# KiCad board board.kicad_pcb (continued)
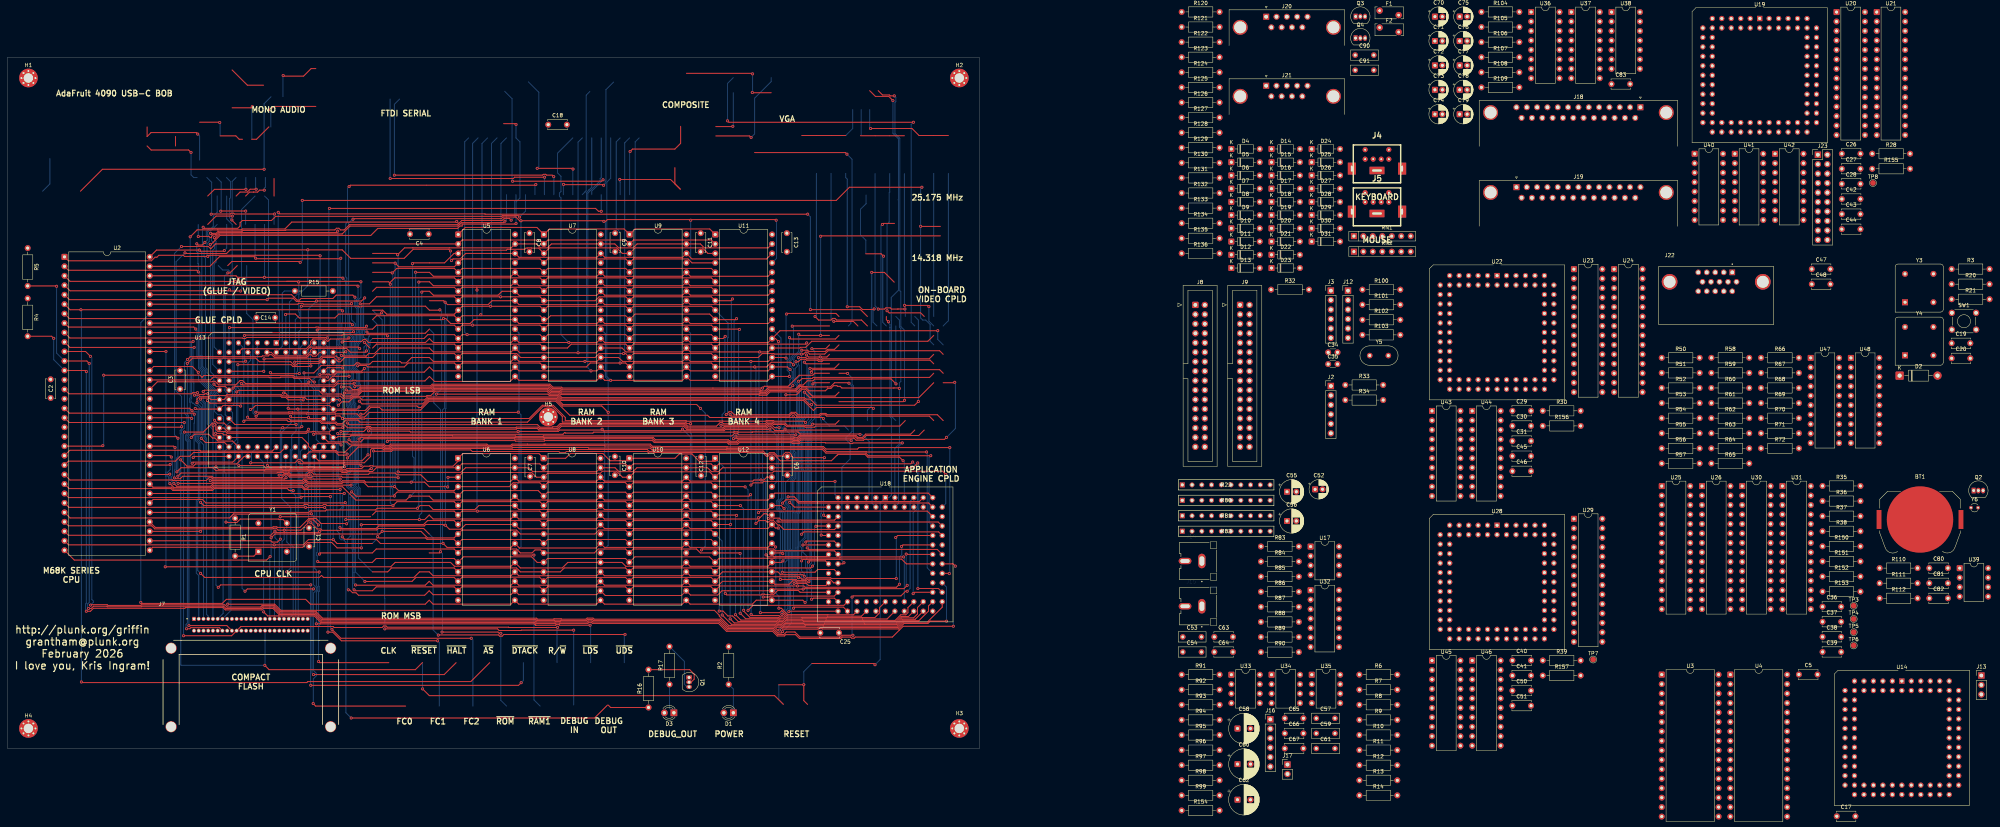
[diagram p0: board, top side]
## Routing (per net, layer and track width the routed paths; a pad name or vN(x,y) marks a point on that pad's centre or on a via; arc(x,y) is an arc through that point) (continued)
D8: length 327.7
  Top w0.25: v1(215.7,107.34) 219.4,107.34 220.43,108.37 ; v1(216.78,59.67) 216.85,59.74 220.17,59.74 ; v1(215.87,48.98) 215.39,48.5 190.78,48.5 U12.13 188.68,48.5 167.81,48.5 U10.13 165.7,48.5 149.31,48.5 148.25,47.45 U8.13 137.54,47.45 136.49,48.5 121.87,48.5 U6.13 119.76,48.5 103.01,48.5 101.96,47.45 97.84,47.45 ; v1(94,124.12) 93.75,124.36 U2.61
  Bottom w0.25: v1(215.87,48.98) 216.38,49.49 216.38,59.26 v1(216.78,59.67) 216.78,92.81 216.48,93.12 216.48,97.29 216.75,97.57 216.75,98.21 216.48,98.49 216.48,106.56 v1(215.7,107.34) ; 97.84,47.45 94.11,51.18 94.11,67.49 94.58,67.97 94.58,69.86 94.11,70.33 94.11,82.15 93.5,82.76 93.5,83.25 94.1,83.85 94.1,88.78 93.41,89.47 93.41,92.56 93.15,92.82 93.15,93.94 94.67,95.46 94.67,97.66 94.45,97.88 94.45,101.1 93.23,102.32 93.23,105.26 93.39,105.42 93.39,108.83 93.97,109.42 93.97,111.71 94.09,111.83 94.09,118.22 93.42,118.89 93.42,119.84 93.57,120 93.57,120.47 94,120.89 v1(94,124.12)
D9: length 404
  Top w0.25: 97.84,44.91 108.49,44.91 109.54,45.96 119.76,45.96 U6.14 121.92,46.02 142.68,46.02 U8.14 144.84,45.96 165.7,45.96 U10.14 167.81,45.96 188.68,45.96 U12.14 190.96,46.14 212.33,46.14 ; v1(238.32,45.64) 220.92,45.64 220.72,45.84 214.33,45.84 213.98,45.49 212.98,45.49 212.33,46.14 ; 212.33,46.14 212.33,46.08 v1(212.11,45.87) ; v1(238.18,56.67) 238.71,57.2 248.11,57.2 ; 248.37,105.83 247.17,104.63 218.56,104.63 218.27,104.34 217.63,104.34 217.34,104.63 214.4,104.63 214.08,104.95 v1(212.1,104.95) ; U2.60 76.2,121.82 77.65,120.37 78.29,120.37 78.74,120.81 87.25,120.81 88.14,121.7 92.62,121.7 v1(93.17,121.16) ; v1(95.85,44.87) 97.8,44.87
  Bottom w0.25: v1(238.18,56.67) 238.32,56.52 v1(238.32,45.64) ; v1(93.17,121.16) 93.17,120.13 93.04,120 93.04,118.73 93.71,118.06 93.71,112.15 93.59,112.03 93.59,109.57 93.01,108.99 93.01,105.57 92.85,105.42 92.85,102.17 94.07,100.94 94.07,97.72 94.29,97.5 94.29,95.62 92.77,94.1 92.77,92.66 93.03,92.4 93.03,89.31 93.72,88.63 93.72,84.15 93.12,83.55 93.12,82.6 93.73,81.99 93.73,71.15 93.3,70.72 93.3,70.6 94.2,69.7 94.2,68.12 93.3,67.22 93.3,53.71 93.31,53.71 93.31,47.41 v1(95.85,44.87) ; v1(212.11,45.87) 211.79,46.19 211.79,53.99 211.77,54.01 211.77,63.17 212.1,63.5 212.1,77.11 212.14,77.15 212.14,83.23 212.65,83.74 212.65,84.69 211.93,85.41 211.93,86.35 211.68,86.61 211.68,88.5 211.94,88.76 211.94,97.83 211.35,98.41 211.35,98.92 212.3,99.87 212.3,102.87 212.1,103.07 v1(212.1,104.95)
D10: length 407.8
  Top w0.25: 248.37,103.28 247.4,104.25 218.71,104.25 218.43,103.96 217.47,103.96 217.19,104.25 214.24,104.25 214,104.5 212.74,104.5 212.08,103.83 v1(211.42,103.83) ; v1(239.17,44.12) 238.35,43.3 213.89,43.3 213.54,43.65 v1(211.84,43.65) 191.02,43.65 U12.15 188.62,43.47 167.87,43.47 U10.15 165.7,43.42 144.84,43.42 U8.15 142.73,43.42 121.87,43.42 U6.15 119.76,43.42 98.89,43.42 97.84,42.37 93.2,42.37 v1(92.95,42.62) ; U2.59 77.87,119.28 78.1,119.52 79.12,119.52 79.36,119.28 92.1,119.28 v1(92.26,119.44) ; 248.11,54.66 240.12,54.66 v1(239.73,54.27)
  Bottom w0.25: v1(211.84,43.65) 211.84,44.52 211.41,44.95 211.41,53.83 211.39,53.85 211.39,63.32 211.73,63.66 211.73,77.11 211.73,77.26 211.77,77.3 211.77,83.38 212.27,83.89 212.27,84.54 211.3,85.51 211.3,88.66 211.56,88.91 211.56,97.54 210.97,98.12 210.97,99.08 211.2,99.3 211.2,102.03 211.9,102.74 211.42,103.21 v1(211.42,103.83) ; v1(92.95,42.62) 92.55,43.01 92.55,47.1 92.55,47.1 92.55,53.4 92.54,53.4 92.43,53.52 92.43,67.41 93.45,68.43 93.45,69.39 92.77,70.06 91.68,70.06 91.35,70.39 91.35,73.55 92.43,74.62 92.43,80.96 90.72,82.66 90.72,84.27 92.2,85.75 92.2,88.01 91.52,88.69 91.52,91.78 91.27,92.03 91.27,94.72 91.99,95.45 91.99,98.52 92.75,99.27 92.75,101.2 92.1,101.85 92.1,105.73 92.26,105.89 92.26,109.3 92.84,109.88 92.84,110.57 92.04,111.37 92.04,112.2 93.25,113.42 93.25,114.09 92.26,115.08 v1(92.26,119.44) ; v1(239.17,44.12) 239.17,51.43 239.8,52.06 239.8,54.19 v1(239.73,54.27)
D11: length 343
  Top w0.25: 220.43,103.28 214.11,103.28 v1(213.68,103.72) ; v1(35.76,39.24) 36.02,38.97 57.6,38.97 58.69,40.07 79.95,40.07 81.26,38.77 112.02,38.77 113.08,39.83 114.13,38.77 135,38.77 U6.17 137.11,38.77 157.97,38.77 U8.17 160.08,38.77 180.94,38.77 U10.17 183.05,38.77 199.72,38.77 200.78,39.83 U12.17 213.29,39.83 v1(213.88,39.24) ; v1(213.3,54.64) 213.32,54.66 220.17,54.66
  Bottom w0.25: v1(35.76,39.24) 35.76,114.35 U2.58 ; v1(213.68,103.72) 214.39,103.01 214.39,89.08 213.65,88.34 213.65,88.34 213.19,87.88 213.19,87.23 213.44,86.98 213.44,86.03 214.16,85.32 214.16,83.11 214.09,83.04 214.09,56.53 213.3,55.73 v1(213.3,54.64) 213.3,52.69 214.39,51.6 214.39,51.08 214.01,50.7 214.01,48.52 214.39,48.14 214.39,45.9 214.05,45.56 214.05,44.36 214.39,44.02 214.39,39.75 v1(213.88,39.24)
D12: length 396.7
  Top w0.25: v1(240.99,52.21) 241.08,52.12 248.11,52.12 ; 205.42,42.81 v1(213.35,42.81) 213.46,42.92 240.37,42.92 v1(241.26,43.82) ; 248.37,100.75 247.26,99.64 216.06,99.64 215.73,99.31 213.06,99.31 212.35,98.6 v1(212.12,98.6) ; v1(92.48,113.77) 92.04,114.2 U2.57 ; U12.18 193.23,42.37 193.23,42.36 192.37,42.36 192.37,42.37 191.6,42.37 190.45,41.22 183.15,41.22 U10.18 180.72,41.09 160.3,41.09 U8.18 157.97,41.31 137.11,41.31 U6.18 135,41.31 114.13,41.31 113.08,42.37 111.88,41.17 94.12,41.17 93.45,41.84 92.52,41.84 91.75,42.62 v1(91.4,42.62)
  Bottom w0.25: v1(240.99,52.21) 240.99,44.09 v1(241.26,43.82) ; v1(92.48,113.77) 92.08,113.37 92.08,112.78 91.66,112.36 91.66,111.21 92.46,110.42 92.46,110.04 91.88,109.46 91.88,106.04 91.72,105.88 91.72,101.7 92.37,101.04 92.37,99.43 91.62,98.67 91.62,95.61 90.89,94.88 90.89,91.88 91.15,91.62 91.15,88.53 91.82,87.86 91.82,85.9 90.35,84.43 90.35,82.5 91.9,80.95 91.9,74.63 90.97,73.7 90.97,70.24 91.52,69.69 92.62,69.69 93.07,69.23 93.07,68.59 91.9,67.42 91.9,56.98 91.12,56.2 91.12,42.89 v1(91.4,42.62) ; v1(213.35,42.81) 213.35,45.49 212.94,45.9 212.94,46.64 212.17,47.41 212.17,54.14 212.14,54.16 212.14,63.01 212.48,63.35 212.48,76.95 212.52,76.99 212.52,83.07 213.03,83.58 213.03,84.85 212.31,85.57 212.31,86.51 212.06,86.77 212.06,88.34 212.35,88.64 212.35,98.38 v1(212.12,98.6)
D13: length 318.2
  Top w0.25: 220.43,98.21 216.29,98.21 v1(215.98,97.89) ; 220.17,49.58 219.36,50.38 215.08,50.38 v1(214.79,50.09) ; v1(214.91,44.79) 214.83,44.71 211.64,44.71 211.33,45.02 210.5,45.02 209.59,44.11 205.77,44.11 U12.19 191.74,44.91 190.68,43.85 183.05,43.85 U10.19 180.94,43.85 160.08,43.85 U8.19 157.97,43.85 137.11,43.85 U6.19 135,43.85 114.13,43.85 113.08,44.91 112.03,43.85 93.39,43.85 v1(93.33,43.92) ; v1(92.81,111.88) 92.59,111.66 U2.56
  Bottom w0.25: v1(92.81,111.88) 93.21,111.48 93.21,109.73 92.63,109.15 92.63,105.73 92.47,105.57 92.47,102.01 93.69,100.79 93.69,97.57 93.91,97.34 93.91,95.77 92.4,94.25 92.4,92.5 92.66,92.24 92.66,89.16 93.34,88.47 93.34,84.31 92.74,83.71 92.74,82.44 93.35,81.84 93.35,71.31 92.85,70.81 92.85,70.52 93.83,69.54 93.83,68.28 92.85,67.3 92.85,53.63 92.92,53.56 92.93,53.55 92.93,47.25 92.93,44.31 v1(93.33,43.92) ; v1(215.98,97.89) 215.8,97.89 215.65,97.74 215.65,97.59 215.75,97.49 215.75,93.31 216.38,92.68 216.38,88.53 215.22,87.37 215.22,85.85 215.29,85.79 215.29,82.64 215.22,82.58 215.22,50.53 v1(214.79,50.09) 214.49,49.79 214.49,48.57 215.22,47.84 215.22,45.1 v1(214.91,44.79)
D14: length 368.5
  Top w0.25: 248.11,49.58 241.04,49.58 239.75,50.87 223.35,50.87 223.26,50.78 213.32,50.78 v1(212.92,50.38) ; 248.37,98.21 244.37,94.21 215.14,94.21 v1(213.68,95.67) ; v1(49.78,109.29) 49.6,109.12 U2.55 ; v1(213.66,46.27) 213.26,46.66 207.36,46.66 206.57,47.45 U12.20 191.74,47.45 190.68,46.39 183.05,46.39 U10.20 180.94,46.39 160.08,46.39 U8.20 157.97,46.39 137.11,46.39 U6.20 135,46.39 114.13,46.39 113.08,47.45 110.5,47.45 109.01,45.96 84.73,45.96 84.2,46.49 83.67,45.96 52.87,45.96 v1(51.79,47.04)
  Bottom w0.25: v1(213.68,95.67) 213.68,88.9 213.28,88.5 213.28,88.5 212.81,88.03 212.81,87.08 213.07,86.82 213.07,85.88 213.78,85.16 213.78,83.27 213.27,82.76 213.27,75.01 213.71,74.57 213.71,56.68 212.52,55.49 212.52,54.32 212.92,53.92 v1(212.92,50.38) 212.92,47.74 213.66,47 v1(213.66,46.27) ; v1(49.78,109.29) 49.38,108.89 49.38,93.99 49.2,93.81 49.2,93.17 49.65,92.72 49.84,92.72 50.51,92.05 50.9,92.05 51.62,91.33 51.62,84.57 50.81,83.76 50.81,82.8 51.57,82.04 51.57,66.98 51.01,66.42 51.01,47.81 v1(51.79,47.04)
D15: length 313.9
  Top w0.25: 222.7,47.04 221.67,48.08 217.26,48.08 216.52,47.34 v1(207.77,47.34) ; v1(42.3,48.79) 102.77,48.79 103.96,49.99 118.81,49.99 119.86,48.93 135,48.93 U6.21 137.54,48.5 148.77,48.5 150.26,49.99 U8.21 164.75,49.99 165.8,48.93 180.94,48.93 U10.21 183.05,48.93 203.92,48.93 U12.21 207.54,49.99 v1(207.94,50.38) ; 222.96,95.67 221.93,94.63 215.82,94.63 214,96.45 213.08,96.45 211.6,94.97 v1(208.73,94.97) ; v1(42.5,106.59) 42.49,106.58 U2.54
  Bottom w0.25: v1(207.77,47.34) 207.77,50.35 207.81,50.38 v1(207.94,50.38) 208.66,51.11 208.66,52.77 208.33,53.11 208.33,63.28 207.04,64.57 207.04,66.2 208,67.16 208,85.01 207.71,85.31 207.71,85.95 208.73,86.96 v1(208.73,94.97) ; v1(42.5,106.59) 42.5,74.28 42.37,74.15 42.37,73.19 42.5,73.06 42.5,48.99 v1(42.3,48.79)
DEBUG_OUT: length 173
  Top w0.25: R16.1 161.75,11.04 161.1,11.69 ; 160.89,11.69 157.42,8.22 v1(92.18,8.22)
  Bottom w0.25: v1(92.18,8.22) 90.75,9.64 90.75,55.43 90.12,56.06 89.45,56.06 89,56.51 89,57.79 88.3,58.49 88.3,81.63 88.17,81.76 88.17,81.96 87.59,82.54 86.94,82.54 86.38,83.11 86.38,85.65 85.76,86.26 85.76,95.24 84.8,96.21
ENGINE_ACTIVE: length 112.7
  Top w0.25: v1(141.68,151.42) 141.47,151.21 91.97,151.21 v1(91.6,150.84) ; 84.8,98.75 85.98,98.75 87.17,99.94 v1(91.6,99.94)
  Bottom w0.25: v1(141.68,151.42) 141.44,151.18 141.44,148.68 ; v1(91.6,150.84) 91.18,150.42 91.18,141.3 90.7,140.82 90.7,126.61 91,126.31 91,116.67 91.3,116.37 91.3,113.06 90.78,112.54 90.78,107.56 91.5,106.84 91.5,106.2 91.34,106.04 91.34,100.2 v1(91.6,99.94)
FC0: length 376.1
  Top w0.25: 222.7,36.88 209.64,36.88 v1(209.51,36.75) ; v1(81.5,63.02) 81.43,62.95 60.57,62.95 59.54,61.91 16.78,61.91 U2.28 ; 106.76,11.42 82.65,11.42 v1(81.97,12.09) ; v1(89.43,85.14) 95.55,85.14 96.48,86.06 97.12,86.06 97.44,85.75 136.44,85.75 136.61,85.92 142.09,85.92 142.5,85.51 147.53,85.51 148.54,86.52 181.32,86.52 182.14,85.69 191.99,85.69 192.34,86.05 203.63,86.05 204.12,86.54 204.61,86.54 205.79,85.37 208.09,85.37 v1(208.49,85.77) ; 82.26,80.97 83.22,81.93 89.04,81.93 v1(89.46,81.52) ; 222.96,85.5 208.61,85.5 208.49,85.63
  Bottom w0.25: v1(209.51,36.75) 209.62,36.87 209.62,43.48 209.4,43.71 209.4,44.97 209.79,45.37 209.79,53.24 209.54,53.49 209.54,64.79 208.59,65.74 208.59,71.37 210.18,72.96 210.18,77.86 210.26,77.93 210.26,78.86 209.97,79.15 209.97,84.28 v1(208.49,85.77) ; v1(89.46,81.52) 89.28,81.7 89.28,84.99 v1(89.43,85.14) ; v1(81.97,12.09) 82.01,12.12 82.01,18.71 82.84,19.54 82.84,20.19 82.04,20.98 82.04,41.75 82.84,42.54 82.84,43.19 82.01,44.02 82.01,62.51 v1(81.5,63.02) 81.5,72.09 80.41,73.18 80.41,73.77 81.1,74.46 81.1,79.81 82.26,80.97
FC1: length 378.4
  Top w0.25: v1(91.12,87.41) 91.59,86.94 142.14,86.94 142.81,86.27 146.16,86.27 146.26,86.37 147.33,86.37 148.23,87.27 181.64,87.27 182.36,86.55 190.13,86.55 191.13,87.55 191.64,87.55 192.01,87.18 203.16,87.18 203.65,87.67 205.23,87.67 205.53,87.37 208.51,87.37 209.09,86.79 213.88,86.79 214.01,86.66 215.47,86.66 v1(215.89,87.08) 222,87.08 222.96,88.05 ; 79.72,78.43 80.92,79.62 87.96,79.62 88.79,78.79 90.81,78.79 v1(91.08,79.06) ; U2.27 16.47,64.77 v1(79.95,64.77) 80,64.72 v1(85.05,64.72) ; 222.7,39.42 221.74,40.38 216.12,40.38 215.77,40.04 215.73,40.09 v1(215.6,40.09) ; v1(115.35,28.94) 89.54,28.94 87.22,31.27 v1(85.93,31.27)
  Bottom w0.25: v1(115.35,28.94) 115.78,28.51 115.78,11.42 ; v1(91.08,79.06) 89.97,80.17 89.97,80.93 90.23,81.19 90.23,81.84 89.97,82.1 89.97,84.59 91.12,85.74 v1(91.12,87.41) ; v1(79.95,64.77) 79.72,65 79.72,69.89 79.01,70.6 79.01,77.71 79.72,78.43 ; v1(85.05,64.72) 85.93,63.84 v1(85.93,31.27) ; v1(215.89,87.08) 215.6,86.79 215.6,86.01 215.67,85.94 215.67,82.49 215.6,82.42 215.6,49.81 215.11,49.31 215.11,48.57 215.6,48.07 v1(215.6,40.09)
FC2: length 413.5
  Top w0.25: v1(78.2,76.87) 78.6,76.47 90.06,76.47 90.19,76.34 94.42,76.34 v1(94.81,75.94) ; v1(218.77,88.6) 218.51,88.86 210.92,88.86 v1(210.68,89.11) 210.43,88.86 188.33,88.86 187.73,89.47 150.78,89.47 147,93.24 113.1,93.24 110.74,90.88 100.46,90.88 99.75,91.59 97.42,91.59 95.59,89.76 v1(94.75,89.76) ; v1(86.57,67.64) 78.92,67.64 v1(78.74,67.46) 78.64,67.37 16.41,67.37 U2.26 ; v1(124.38,29.62) 89.4,29.62 v1(87,32.02) ; v1(210.78,37.68) 211.06,37.97 224.16,37.97 225.25,36.88
  Bottom w0.25: v1(87,32.02) 86.57,32.44 v1(86.57,67.64) ; v1(124.38,29.62) 124.8,29.19 124.8,11.42 ; 79.72,80.97 78.52,79.77 78.52,77.19 v1(78.2,76.87) 78.43,76.64 78.43,67.77 v1(78.74,67.46) ; 225.5,85.5 224.39,86.62 220.39,86.62 218.77,88.24 v1(218.77,88.6) ; v1(94.75,89.76) 95.05,89.46 95.05,82.36 94.88,82.19 94.88,76.01 v1(94.81,75.94) ; v1(210.68,89.11) 210.68,86.55 210.72,86.5 210.72,79.46 211.01,79.17 211.01,77.62 210.94,77.54 210.94,72.65 210.47,72.18 210.47,61.66 210.55,61.58 210.55,45.05 210.15,44.65 210.15,44.02 210.78,43.39 v1(210.78,37.68)
GLUE_TO_PORTS_TD: length 215.9
  Top w0.25: v1(212.18,111.22) 212.49,110.91 v1(218.05,110.91) 220.43,110.91 ; 250.15,137.62 218.16,137.62 v1(218.05,137.52) ; v1(89.53,97.09) 91.8,97.09 92.51,96.39 94,96.39 94.58,96.98 113.6,96.98 114.05,97.43 145.3,97.43 146.09,96.63 148.41,96.63 148.73,96.31 201.83,96.31 202,96.14 202.01,96.14 202.15,95.99 203.1,95.99 203.98,96.88 210.04,96.88 v1(210.58,97.42) ; 84.8,101.28 85.76,102.25 89.74,102.25 v1(89.81,102.17)
  Bottom w0.25: v1(89.81,102.17) 89.53,101.88 89.53,97.09 v1(89.53,97.09) ; v1(212.18,111.22) 212.18,106.65 210.49,104.97 210.49,104.53 209.99,104.02 209.99,102.69 210.82,101.86 210.82,99.46 210.58,99.22 v1(210.58,97.42) ; v1(218.05,137.52) v1(218.05,110.91)
JTAG_TCK: length 257.1
  Top w0.25: v1(94.29,91.71) 93.71,91.12 U13.62 86.38,92.09 66.52,92.09 65.46,91.02 v1(65.17,91.02) ; v1(251.8,83.54) 251.27,83.02 229.79,83.02 229.55,82.78 227.57,82.78 227.04,83.31 212.65,83.31 212.02,82.69 210.76,82.69 210.55,82.89 195.92,82.89 195.52,82.49 193.72,82.49 193.31,82.89 173.76,82.9 173.11,83.55 143.87,83.55 143.76,83.44 136.16,83.44 136.05,83.55 94.74,83.55 v1(94.27,83.08) ; v1(254,98.31) 253.89,98.21 250.9,98.21
  Bottom w0.25: v1(254,98.31) 254.18,98.14 254.18,85.92 v1(251.8,83.54) ; v1(94.27,83.08) 94.47,83.28 94.47,88.98 93.97,89.48 93.97,90.08 94.19,90.29 94.19,91.61 v1(94.29,91.71) ; 64.15,129.64 64.15,116.8 65.82,115.13 65.82,107.07 65.68,106.92 65.68,91.53 v1(65.17,91.02)
  vias: v1(68.69,36.7) v1(253.62,32.84) v1(254.16,48.98)
JTAG_TDI: length 28.1
  Top w0.25: v1(59.09,127.68) 59.65,127.68 61.61,129.64
  Bottom w0.25: v1(59.09,127.68) 58.18,126.76 58.18,122.32 57.99,122.13 57.99,104.95 56.86,103.83
JTAG_TDO: length 254.1
  Top w0.25: v1(245.2,150.67) 225.76,150.67 222.24,147.14 v1(79.05,147.14) ; 250.15,140.17 244.89,140.17 v1(244.86,140.19) ; 59.07,129.64 60.17,130.74 78.27,130.74 v1(78.5,130.52)
  Bottom w0.25: v1(245.2,150.67) 244.86,150.33 v1(244.86,140.19) 244.86,115.59 245.43,115.02 246.22,115.02 247.4,113.84 247.4,109.33 248.37,108.37 ; v1(78.5,130.52) 79.05,131.06 v1(79.05,147.14)
JTAG_TMS: length 246.1
  Top w0.25: v1(92.97,98.09) 92.8,97.92 88.44,97.92 87.77,97.24 60.99,97.24 v1(60.51,96.76) ; 222.96,100.75 225.22,100.75 v1(225.27,100.69) ; v1(91.59,82.89) 92.15,82.34 94.7,82.34 95.53,83.17 135.9,83.17 136.01,83.06 143.71,83.06 143.92,83.06 144.03,83.17 172.96,83.17 173.61,82.52 193.13,82.52 193.54,82.11 195.67,82.11 196.08,82.52 210.39,82.52 210.6,82.31 212.18,82.31 212.71,82.84 226.02,82.84 v1(226.22,82.63)
  Bottom w0.25: 56.53,129.64 57.72,128.45 59.26,128.45 59.89,127.82 59.89,125.53 60.45,124.97 60.45,97.05 60.36,96.97 60.36,94.63 59.4,93.67 ; v1(92.97,98.09) 92.37,97.49 92.37,95.29 91.64,94.57 91.64,92.19 91.9,91.93 91.9,88.84 92.57,88.17 92.57,84.61 91.59,83.63 v1(91.59,82.89) ; v1(226.22,82.63) 226.85,83.26 226.85,97.4 226.47,97.78 226.47,99.5 v1(225.27,100.69)
  vias: v1(94.34,93.26) v1(95.69,102.04) v1(185.82,91.31) v1(186.1,53.32)
PIXEL_CLK: length 41.2
  Top w0.25: v1(234.9,132.17) 234.25,132.81 230.15,132.81
  Bottom w0.25: 235.67,113.45 234.7,114.41 234.7,131.97 v1(234.9,132.17) ; 230.23,148.59 230.23,146.26 228.73,144.75 228.73,137.89 230.15,136.46 230.15,132.81
R/~{W}: length 621.5
  Top w0.25: 222.7,49.58 223.99,49.58 v1(224.3,49.89) ; v1(85.77,110.22) 85.65,110.34 64.12,110.34 63.85,110.06 63.2,110.06 63.06,110.21 16.74,110.21 U2.9 ; v1(147.53,32.56) 147.47,32.52 134.46,32.52 134.38,32.59 101.82,32.59 101.5,32.92 100.85,32.92 100.45,32.52 87.6,32.52 87.32,32.79 62.6,32.79 J7.35 60.1,30.29 v1(47.22,30.29) ; v1(159.23,144.22) 158.48,144.22 157.7,144.99 v1(86.32,144.99) ; v1(225.65,98.06) 225.51,98.21 221.79,98.21 220.66,97.08 219.84,97.08 219.84,97.08 214.43,97.08 214.31,97.2 212.75,97.2 212.75,97.2 212.51,97.2 211.43,96.12 204.29,96.12 203.41,95.24 201.84,95.24 201.69,95.39 201.69,95.39 201.66,95.42 148.56,95.42 148.09,95.88 145.78,95.88 144.99,96.68 114.36,96.68 113.91,96.22 94.9,96.22 94.1,95.43 v1(90.34,95.43) ; v1(47.47,84.96) 52.52,84.96 54.92,87.35 55.56,87.35 55.9,87.02 55.9,85.65 56.46,85.08 58.47,85.08 58.91,84.64 80.18,84.64 80.53,84.99 81.63,84.99 81.78,85.14 82.42,85.14 82.57,84.99 86.28,84.99 87.34,86.05 89.77,86.05 v1(89.94,86.21)
  Bottom w0.25: v1(90.34,95.43) 90.4,95.37 90.4,89.13 90.62,88.91 90.62,88.26 89.94,87.58 v1(89.94,86.21) ; 147.36,23.06 147.36,32.4 v1(147.53,32.56) ; 87.34,86.05 86.28,87.11 86.28,99.04 86.65,99.42 86.65,100.06 86.28,100.44 86.28,109.72 v1(85.77,110.22) 86.18,110.62 86.18,144.84 v1(86.32,144.99) ; v1(47.47,84.96) 47.22,84.71 47.22,76.75 47.4,76.57 47.4,73.01 47.22,72.83 v1(47.22,30.29) ; v1(159.23,144.22) 159.21,144.23 159.21,148.68 ; v1(225.65,98.06) 226.47,97.25 226.47,85.11 224.85,83.49 224.85,82.96 225.95,81.86 225.95,77.73 223.74,75.52 223.74,50.45 v1(224.3,49.89)
SYSCLK: length 599.7
  Top w0.25: v1(58.6,60.79) 58.7,60.69 61.51,60.69 62.43,61.62 72.67,61.62 72.82,61.47 73.94,61.47 Y1.5 ; 102.25,23.06 83.72,23.06 v1(83.43,23.37) ; v1(74.9,47.44) 74.95,47.39 v1(83.6,47.39) ; v1(50.96,95.54) 49.72,95.54 49.41,95.22 16.49,95.22 U2.15 ; v1(74.55,116.49) 74.7,116.64 77.19,116.64 78.25,115.59 87.79,115.59 88.83,116.62 99.98,116.62 v1(100.32,116.96) ; v1(51.96,83.28) 53.08,82.16 58.2,82.16 59.4,80.97 ; v1(151.82,31.79) 137.8,31.79 137.72,31.72 131.82,31.72 131.4,32.14 v1(101.18,32.14) ; v1(239.15,96.67) 239,96.81 237.7,96.81 237.68,96.79 223.74,96.79 223.29,97.24 222.57,97.24 222.39,97.42 221.53,97.42 220.82,96.7 220,96.7 219.33,96.04 214.94,96.04 214.15,96.83 212.91,96.83 211.82,95.74 204.45,95.74 203.56,94.86 201.69,94.86 201.54,95.01 148.43,95.01 147.94,95.5 145.63,95.5 144.83,96.3 114.52,96.3 114.07,95.84 95.05,95.84 94.13,94.92 92.34,94.92 92.04,94.62 90.06,94.62 89.52,95.17 84.47,95.17 83.5,96.14 61.9,96.14 v1(61.49,95.73)
  Bottom w0.25: v1(100.32,116.96) 101.13,116.16 101.13,40.39 101.18,40.35 v1(101.18,32.14) ; v1(61.49,95.73) 61.4,95.63 61.4,82.96 59.4,80.97 58.2,79.77 58.2,74.3 58.6,73.9 v1(58.6,60.79) ; v1(83.43,23.37) 83.43,32.99 83.6,33.17 83.6,33.81 83.43,33.99 83.43,42.07 83.59,42.23 83.59,43.5 83.43,43.66 83.43,47.22 v1(83.6,47.39) ; Y1.5 74.91,55.43 75.96,54.38 75.96,48.5 v1(74.9,47.44) ; v1(50.96,95.54) 50.96,94.58 50.77,94.39 50.77,93.84 52.37,92.24 52.37,84 51.96,83.59 v1(51.96,83.28) ; U13.83 74.64,116.4 v1(74.55,116.49) ; U18.83 237.94,80.57 239.17,81.79 239.17,96.65 v1(239.15,96.67) 239.17,96.68 239.17,98.16 239.55,98.54 239.55,112.74 239.17,113.12 239.17,115.02 238.2,115.99 ; 151.82,11.73 v1(151.82,31.79)
VGA_HSYNC: length 95.2
  Top w0.25: v1(237.43,173.94) 236.31,175.06 232.73,175.06 231.2,176.59
  Bottom w0.25: v1(237.43,173.94) 237.43,165.14 238.9,163.66 238.9,147.34 238.85,147.29 238.9,147.24 238.9,123.02 236.98,121.09 236.98,115.02 237.01,114.98 237.01,89.24 238.2,88.05
VGA_VSYNC: length 105.7
  Top w0.25: v1(237.8,175.19) 236.71,175.19 236.46,175.44 234.63,175.44 233.48,176.59 ; 222.96,93.12 240.19,93.12 v1(240.55,93.49)
  Bottom w0.25: v1(237.8,175.19) 238.2,174.79 238.2,173.62 237.98,173.39 237.98,165.12 239.28,163.82 239.28,122.89 239.55,122.62 239.55,113.28 240.55,112.28 v1(240.55,93.49)
~{AS}: length 733.5
  Top w0.25: 222.96,103.28 221.77,102.09 215.23,102.09 v1(215.19,102.05) ; 230.58,115.99 228.75,117.81 v1(215.3,117.81) ; v1(214.07,55.44) 214.33,55.7 221.67,55.7 222.7,54.66 ; 87.34,88.59 88.05,89.3 89.14,89.3 v1(89.85,88.59) 94.75,88.59 94.85,88.49 95.8,88.49 95.9,88.59 139.86,88.59 143.42,92.15 146.31,92.15 149.57,88.89 149.57,88.03 181.95,88.03 182.1,87.88 190.8,87.88 190.84,87.92 191.8,87.92 191.84,87.88 203.33,87.88 203.5,88.05 205.39,88.05 205.56,87.88 213.64,87.88 v1(213.96,87.56) ; v1(19.83,17.89) 20,17.72 80.25,17.72 80.53,17.99 124.24,17.99 129.31,23.06 ; v1(89.85,117.49) 89.55,117.79 v1(19.7,117.79) 16.78,117.79 U2.6 ; v1(72.6,143.94) 73.03,143.52 128.03,143.52 128.1,143.44 v1(214.57,143.44)
  Bottom w0.25: v1(19.7,117.79) 19.83,117.67 v1(19.83,17.89) ; v1(89.85,88.59) 89.85,94.83 89.6,95.08 89.6,96.2 90.3,96.9 90.3,101.57 90.59,101.85 90.59,105.56 89.85,106.3 89.85,107.77 88.97,108.65 88.97,109.45 89.67,110.16 89.67,114.12 89.85,114.3 v1(89.85,117.49) ; v1(214.57,143.44) 215.3,142.72 v1(215.3,117.81) ; v1(214.07,55.44) 214.47,55.83 214.47,82.89 214.54,82.96 214.54,85.47 214.29,85.72 214.29,87.41 ; v1(213.96,87.56) 214.83,88.42 214.83,101.97 214.76,102.03 214.87,102.03 214.9,102.01 215.14,102.01 v1(215.19,102.05) ; v1(72.6,143.94) 72.6,117.84 72.9,117.54 72.9,109.71 U13.1